# Altium PCB hellen1-72.PcbDoc (part 2 of 3)
Units mm, origin at the board's own origin, x right, y up, seen from the top; angles counter-clockwise.
Board outline 154 x 159 mm, 2 copper layers (Top Layer, Bottom Layer), stack 1.171 mm thick; 118 components, 204 nets, 757 pads, 461 vias.
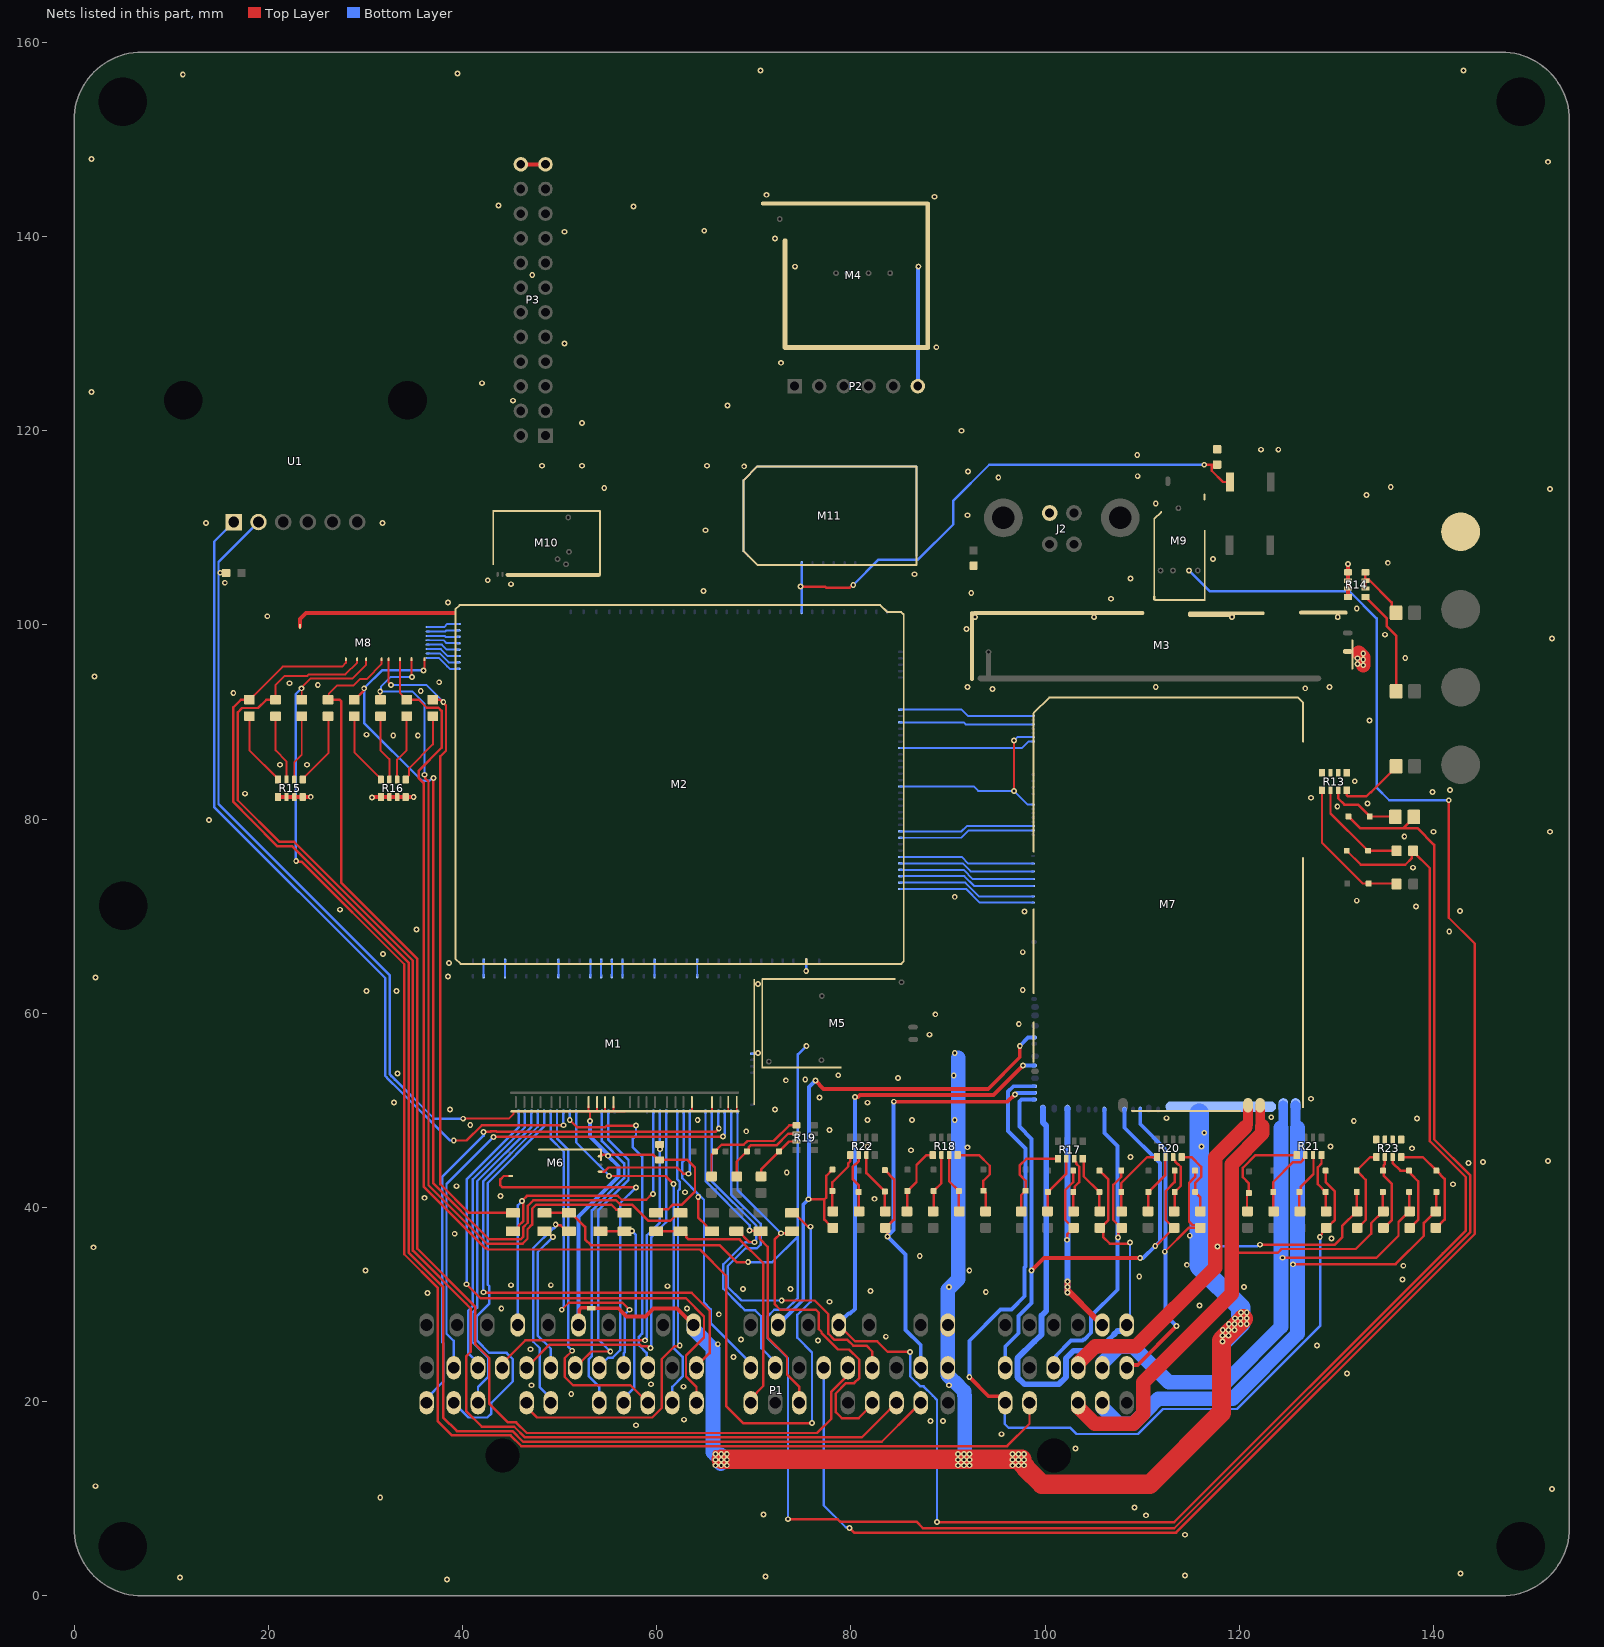
[diagram p2: the nets of this part, all layers, seen from the top]

## Via types
v1: diameter 0.6, hole 0.3, Top Layer to Bottom Layer, tented both sides, 461 vias

## Nets (pads, with @x,y where several pads share a name; then routed paths per layer and width w, separated by ;. In a path a pad name is that pad's centre, name@x,y a point inside that pad or via, vN(x,y) a via of type N, cw(c..) or ccw(c..) an arc to the next point about the centre after c; other vN are vias at no path point) (continued)
GND: C1.2 C2.1 J1.1 J2.4 M1.E1 M1.E5 M2.S2 M3.E1 M3.V1 M3.V2 M3.V3 M3.V4 M4.G M4.V2 M4.V3 M5.S1 M7.G M7.S3 M8.G M9.E1 M9.S1 M10.E1 M11.G P1.3A P1.3B P1.4A P2.6 P3.23 P3.24 P7.1 R13.5 R13.6 R13.7 R13.8 R14.5 R14.6 R14.7 R14.8 R15.5 R15.6 R15.7 R15.8 R16.5 R16.6 R16.7 R16.8 R23.5 R23.6 R23.7 R23.8 | length 219.4
  Top Layer w0.4: R15.5@21,82.275 R15.6@21.875,82.275 R15.7@22.675,82.275 R15.8@23.55,82.275 23.575,82.3 v1(24.375,82.3) ; M8.G@23.27,99.854 23.27,100.62 23.9,101.25 39.125,101.25 ; v1(30.675,82.225) 30.725,82.275 R16.5@31.6,82.275 R16.6@32.475,82.275 R16.7@33.275,82.275 R16.8@34.15,82.275 v1(34.975,82.275) v1@35,82.25 ; P3.24@46.01,147.44 P3.23@48.55,147.44 ; J1.1@53.475,29.625 56.075,29.625 56.5,29.2 56.5,29.185 56.91,28.775 58.85,28.775 59.675,29.6 62.1,29.6 63.14,28.56 63.292,28.56 63.8,28.052 P1.4A@63.8,27.9 ; M3.V4@130.15,100.746 M3.V4@130.15,100.8 ; v1(131.197,106.275) 131.2,106.272 R14.5@131.2,105.425 R14.6@131.2,104.55 R14.7@131.2,103.75 R14.8@131.2,102.875 ; 132.21,97.659 132.775,97.094 v1(132.775,97.075)
  Top Layer w0.6: v1@66.05,13.575 v1(66.05,14.025) v1(66.05,14.6) v1@66.05,14.725 ; v1@66.65,13.575 v1(66.65,14.025) 66.65,14.075 v1(66.65,14.6) v1@66.65,14.725 ; v1@67.225,13.575 v1(67.225,14.025) 67.225,14.075 v1(67.225,14.6) v1@67.225,14.725 ; v1@91.05,13.575 v1(91.05,14.025) 91.05,14.075 v1(91.05,14.6) v1@91.05,14.725 ; v1@91.65,13.575 v1(91.65,14.025) 91.65,14.075 v1(91.65,14.6) v1@91.65,14.725 ; v1@92.225,13.575 v1(92.225,14.025) 92.225,14.075 v1(92.225,14.6) v1@92.225,14.725 ; v1@96.65,13.575 v1(96.65,14.025) 96.65,14.075 v1(96.65,14.6) v1@96.65,14.725 ; v1@97.25,13.575 v1(97.25,14.025) 97.25,14.075 v1(97.25,14.6) v1@97.25,14.725 ; v1@97.825,13.575 v1(97.825,14.025) v1(97.825,14.6) v1@97.825,14.725
  Top Layer w1.5: P1.3A@90,27.45 P1.3A@90,27.9 ; 132.325,97.125 132.775,96.675 v1(132.775,96.45) v1(132.775,95.85)
  Top Layer w2: v1@66.65,14.075 67.225,14.075 91.05,14.075 91.65,14.075 92.225,14.075 96.65,14.075 97.25,14.075 v1@97.6,14.075 ; v1(97.25,14.025) v1(97.825,13.45) 97.95,13.325 97.95,13.228 99.678,11.5 110.801,11.5 118.175,18.874 118.175,26.3 v1@120.425,28.55
  Bottom Layer w0.25: M1.E1@69.85,55.858 70.358,55.858 v1(70.425,55.925) ; v1(75.4,64.35) 75.405,64.355 M2.S2@75.405,65.323
  Bottom Layer w0.4: P2.6@86.9,124.6 86.927,124.627 86.927,136.882 M4.V3@86.954,136.909
  Bottom Layer w1.5: P1.4A@63.8,27.9 63.8,27.45 65.8,25.45 65.8,14.775 v1@66.05,14.525 ; v1@66.6,13.637 v1@66.6,14.525 ; P1.3A@90,27.45 P1.3B@90,23.5 90,22.709 90.659,22.05 90.704,22.05 91.7,21.054 91.7,20.65 91.725,20.625 91.725,14.6 v1@91.725,14.025 ; P1.3A@90,27.9 90,31.549 91.075,32.624 91.075,55.4
  Bottom Layer w2: 115.875,49.725 115.875,33.975 120.15,29.7 v1(120.15,28.6) 120.15,28.075 v1(118.275,26.2)
  other v1: 38.4,1.7 10.9,1.9 71.2,2 114.4,2.1 142.8,2.3 114.4,6.3 110.4,8.3 71,8.4 109.2,9.1 31.536,10.144 152.2,11 2.2,11.3 66.05,13.45 66.65,13.45 67.225,13.45 91.05,13.45 91.65,13.45 92.225,13.45 96.65,13.45 97.25,13.45 103.136,15.196 95.505,16.658 57.875,17.575 88.2,18 89.5,18 62.825,18.15 51.2,20.8 62.775,21.55 47.1,21.7 90.1,21.7 59.4,21.8 131.1,22.9 67.9,24.6 47,25.4 128,25.8 66.3,25.925 76.6,26.3 68.7,26.4 83.6,26.7 118.275,26.8 118.9,26.8 118.3,27.4 118.9,27.4 119.525,27.4 118.925,28 119.525,28 120.15,28 120.775,28 119.55,28.6 120.775,28.6 66.4,29 120.175,29.2 120.775,29.2 44,29.6 63.125,29.6 115.9,29.9 77.8,30.3 36.4,31.2 93.9,31.3 82.025,31.4 68.9,31.6 73.775,31.6 90.1,31.8 120.5,31.8 61.1,31.9 45,32 49.1,32 136.8,32.6 109.7,32.9 30,33.5 92.2,33.5 136.9,34 114.6,34.1 87.1,35 2,35.9 129.5,36.8 114.9,37.1 39.2,37.3 82.431,40.899 36.1,41 43.9,41.2 62.925,41.575 39.4,42.2 142,42.4 73.4,43.6 143.6,44.6 145.1,44.7 151.8,44.8 108.8,45.2 86.2,45.9 137.8,46.1 92,46.2 81.7,46.3 116.1,46.3 129.4,46.3 116.4,47.7 69.225,47.85 77.8,48 40.8,48.5 131.8,48.9 64.225,49 81.7,49 86.3,49 90.7,49 138.3,49.175 112.5,49.2 123.3,49.3 38.7,50.1 72.2,50.1 81.7,50.8 32.95,50.825 127.4,51.2 76.775,51.325 73.3,53.1 75.3,53.2 84.85,53.342 90.6,53.6 78.7,53.625 33.3,53.8 90.7,55.9 88.1,57.8 97.3,58.9 88.7,59.9 30.1,62.3 33.2,62.3 97.7,62.4 70.44,63.02 2.2,63.7 38.5,63.8 38.6,65.2 31.8,66.1 97.7,66.3 141.625,68.425 35.275,68.65 97.894,70.504 142.725,70.525 27.375,70.675 138.2,71 132.1,71.6 90.7,72 137.9,75 137,78.2 140,78.7 152,78.7 13.9,79.9 130.1,81.3 133.2,81.6 127.4,82.2 17.604,82.621 139.9,82.8 141.7,83 131.9,83.9 21.2,85.6 24,85.6 32.875,88.6 35.4,88.6 30.1,88.7 133.422,90.152 16.4,93 35.7,93.183 94.6,93.4 126.795,93.475 92,93.6 111.4,93.6 129.3,93.6 25.1,93.8 22.2,94 37.6,94.1 2.1,94.7 132.175,95.975 132.175,96.575 137.1,96.6 152.2,98.6 135,99 91.9,99.6 19.9,100.9 132.1,101.7 38.5,102.3 106.8,102.7 92.4,103.3 64.825,103.5 45,104.2 15.525,104.35 42.6,104.6 108.799,104.795 86.572,105.22 135.3,106.4 117.3,106.8 65.025,109.75 13.6,110.5 31.775,110.5 92,111.3 111.4,112.5 133.1,113.4 152,114 54.6,114.1 135.6,114.2 95.189,115.171 109.543,115.323 92.049,115.802 69.014,116.34 48.2,116.4 52.3,116.4 65.2,116.4 109.5,117.5 122.225,118.05 124.025,118.05 91.4,120 52.3,120.8 67.3,122.6 45.2,123.1 1.8,124 42,124.9 72.8,127 88.8,128.6 50.5,129 47.186,136.055 72.2,139.8 50.5,140.5 64.9,140.6 57.6,143.1 43.7,143.2 88.6,144.1 71.3,144.3 151.8,147.7 1.8,148 11.2,156.7 39.5,156.8 70.699,157.092 143.1,157.1
GNDA: C3.2 J1.2 M1.J2 M1.J11 M1.J12 M1.J13 M1.J14 M1.J22 M1.J23 M1.J25 M1.J26 M1.N2 M2.S32 M6.E1 P1.4O R6.2 R12.1 U1.2 | length 143.9
  Top Layer w0.2: v1(40.075,49.15) 44.775,49.15 45.245,49.62 45.245,49.877 45.269,49.9 M1.J2@56.72,49.9 ; M1.J2@52.995,49.925 M1.J11@52.995,50.45 ; v1(53.125,48.925) M1.J2@53.125,49.9 ; M1.J2@53.87,49.925 M1.J12@53.87,50.45 ; M1.J2@54.67,49.925 M1.J13@54.67,50.45 ; M1.J2@55.545,49.925 M1.J14@55.545,50.45 ; M1.J2@63.62,49.925 M1.J22@63.62,50.45 ; M1.J2@65.7,49.925 M1.J23@65.7,50.45 ; M1.J2@67.375,49.925 M1.J25@67.375,50.45 ; M1.J2@68.25,49.925 M1.J26@68.25,50.45
  Top Layer w0.25: M6.E1@54.25,45.425 59.665,45.425 60.19,44.9 R12.1@60.3,44.9 63.175,44.9 63.95,44.125 63.95,41.659 62.566,40.275 61.649,40.275 61.199,39.825 60.325,39.825 R6.2@59.95,39.45
  Top Layer w0.4: v1(15.05,105.375) 15.063,105.362 15.647,105.362 C3.2@15.66,105.35 ; P1.4O@51.95,27.9 52.025,27.975 52.025,29.464 52.236,29.675 J1.2@52.825,29.675
  Bottom Layer w0.2: M1.N2@42.18,63.827 42.183,63.83 42.183,65.12 ; 42.185,65.123 42.183,65.12 ; M2.S32@42.185,65.423 42.183,65.42 42.183,65.12
  Bottom Layer w0.25: U1.2@18.99,110.6 14.875,106.485 14.875,81.575 32.5,63.95 32.5,53.736 32.675,53.561 32.675,53.541 33.041,53.175 33.061,53.175 37.086,49.15 v1(40.075,49.15)
  Bottom Layer w0.4: P1.4O@51.95,27.9 51.95,39.079 56.061,43.189 56.061,44.252 v1(54.988,45.325) 54.988,45.466 53.125,47.329 v1(53.125,48.925)
IAT: M1.N15 M2.S19 | length 1.6
  Bottom Layer w0.2: M1.N15@56.483,63.83 M2.S19@56.483,65.42
IDLE: M2.E18 M7.W29 M7.W35 | length 21.8
  Top Layer w0.2: v1(96.8,82.9) v1(96.8,88.1)
  Bottom Layer w0.2: M2.E18@85.102,83.365 92.635,83.365 93.1,82.9 v1(96.8,82.9) 98.211,81.489 M7.W29@98.772,81.489 ; v1(96.8,88.1) 97.139,88.439 M7.W35@98.772,88.439
IGN1: M2.W1 M8.E8 | length 3.6
  Bottom Layer w0.2: M8.E8@36.405,96.618 37.535,96.618 38.413,95.74 38.435,95.74 38.695,95.48 M2.W1@39.575,95.48
IGN2: M2.W2 M8.E7 | length 3.6
  Bottom Layer w0.2: M8.E7@36.405,97.068 37.651,97.068 38.579,96.14 M2.W2@39.575,96.14
IGN3: M2.W3 M8.E6 | length 3.5
  Bottom Layer w0.2: M8.E6@36.405,97.518 37.767,97.518 38.484,96.8 M2.W3@39.575,96.8
IGN4: M2.W4 M8.E5 | length 3.4
  Bottom Layer w0.2: M8.E5@36.405,97.968 37.882,97.968 38.39,97.46 M2.W4@39.575,97.46
IGN5: M2.W5 M8.E4 | length 3.3
  Bottom Layer w0.2: M8.E4@36.405,98.425 38.05,98.425 38.355,98.12 M2.W5@39.575,98.12
IGN6: M2.W6 M8.E3 | length 3.2
  Bottom Layer w0.2: M8.E3@36.405,98.875 38.175,98.875 38.27,98.78 M2.W6@39.575,98.78
IGN7: M2.W7 M8.E2 | length 3.2
  Bottom Layer w0.2: M8.E2@36.405,99.325 38.216,99.325 38.341,99.45 39.426,99.45 39.436,99.44 M2.W7@39.575,99.44
IGN8: M2.W8 M8.E1 | length 3.3
  Bottom Layer w0.2: M8.E1@36.405,99.775 38.1,99.775 38.425,100.1 M2.W8@39.575,100.1
IN_AC_PRESS: M1.S17 P1.4F | length 38.4
  Top Layer w0.25: v1(55.1,43.25) 60.9,43.25 v1(61.74,42.41)
  Bottom Layer w0.25: M1.S17@51.715,49.865 51.715,46.71 v1@55.175,43.25 ; P1.4F@61.6,19.9 61.6,21.53 62.675,22.605 62.675,24.62 61.745,25.55 61.745,42.405 v1(61.74,42.41)
IN_AFR: M1.S1 P1.3L R1.1 | length 47
  Top Layer w0.25: R1.1@73.95,37.55 73.75,37.35 v1(72.8,37.35) 72.15,36.7 72.15,30.05 72.725,29.475 76.4,29.475 76.705,29.17 76.705,27.47 76.975,27.2 76.975,27.078 78.678,25.375 79.825,25.375 80.875,24.325 80.875,22.45 80.338,21.913 79.513,21.913 78.45,20.85 78.45,18.925 79.075,18.3 80.8,18.3 82.2,19.7 P1.3L@82.2,19.9
  Bottom Layer w0.25: M1.S1@68.329,49.865 68.329,41.821 v1(72.8,37.35)
IN_BRAKE: M1.S23 P1.4B | length 51.5
  Top Layer w0.25: v1@42.125,31.275 42.175,31.225 63.6,31.225 65.45,29.375 65.45,25 64.1,23.65 P1.4B@64.1,23.5
  Bottom Layer w0.25: v1(42.15,31.275) 42.15,42.716 47.755,48.321 M1.S23@47.755,49.865
IN_CAM: M1.S5 P1.3V R3.1 | length 35.3
  Top Layer w0.25: R3.1@68.2,37.55 68.425,37.55 69.525,36.45 70.05,36.45 v1(70.075,36.425)
  Bottom Layer w0.25: M1.S5@65.689,49.865 65.689,42.697 70.25,38.136 70.25,36.695 v1@70.075,36.52 ; v1(70.075,36.425) 69.139,36.425 66.875,34.161 66.875,31.639 68.539,29.975 69.089,29.425 70.145,29.425 70.775,28.795 70.775,25.525 72.2,24.1 P1.3V@72.2,23.5
IN_CLT: M1.S15 P1.4P | length 31.7
  Top Layer w0.25: P1.4P@51.6,23.5 51.6,23.612 52.177,24.189 52.289,24.189 53.275,25.175 v1(55.225,25.175)
  Bottom Layer w0.25: M1.S15@55.021,49.865 55.021,46.968 57.1,44.889 57.1,42.836 54.005,39.741 54.005,26.395 v1(55.225,25.175)
IN_CLUTCH: M1.S20 P1.4I | length 38
  Top Layer w0.25: v1(51.3,25.25) 50.525,24.475 50.525,22.575 51.4,21.7 57.3,21.7 58.411,20.589 58.523,20.589 59.1,20.012 P1.4I@59.1,19.9
  Bottom Layer w0.25: M1.S20@49.735,49.865 49.735,47.115 50.875,45.975 50.875,25.675 v1(51.3,25.25)
IN_CRANK: M1.S8 P1.3Y R4.1 | length 33.8
  Top Layer w0.25: v1(64.275,41.1) 64.275,38.975 65.1,38.15 65.1,37.925 65.475,37.55 R4.1@65.7,37.55
  Bottom Layer w0.25: M1.S8@62.768,49.865 62.768,44.793 62.65,44.675 62.65,43.02 v1@64.423,41.248 ; v1(64.275,41.1) v1@64.423,41.248 ; P1.3Y@69.7,23.5 69.7,23.95 65.55,28.1 65.55,29.525 64.875,30.2 64.875,40.795 v1@64.423,41.248
IN_EGR: M1.S22 P1.4AE | length 42.3
  Bottom Layer w0.25: P1.4AE@39.1,19.9 39.1,19.788 39.677,19.211 39.789,19.211 40.625,18.375 42.55,18.375 42.975,18.8 42.975,19.9 45.175,22.1 45.175,24.395 44.545,25.025 42.761,25.025 41.485,26.301 41.485,28.81 42.775,30.1 42.775,31.887 42.6,32.062 42.6,42.529 48.415,48.344 M1.S22@48.415,49.865
IN_FTP_PPS: M1.S24 P1.4AB | length 33.6
  Bottom Layer w0.25: P1.4AB@41.6,19.9 41.6,21.53 42.675,22.605 42.675,24.475 41.025,26.125 41.025,29.189 41.525,29.689 41.525,42.727 47.095,48.297 M1.S24@47.095,49.865
IN_FUEL_LEVEL: M1.S3 P1.4AD | length 52.4
  Top Layer w0.25: v1(43.2,47.25) 43.238,47.288 66.787,47.288 v1(66.825,47.325)
  Bottom Layer w0.25: P1.4AD@39.1,23.5 39.1,26.26 38.355,27.005 38.355,42.405 v1(43.2,47.25) ; v1(66.825,47.325) 66.825,47.42 67.025,47.62 67.025,48.672 67.009,48.688 M1.S3@67.009,49.865
IN_IAT: M1.S16 P1.4N | length 32.9
  Bottom Layer w0.25: P1.4N@54.1,19.9 54.1,21.53 53.025,22.605 53.025,24.395 53.325,24.695 53.325,39.711 56.65,43.036 56.65,44.547 54.361,46.836 M1.S16@54.361,49.865
IN_KNOCK: M1.S7 M6.E3 | length 16
  Top Layer w0.25: M6.E3@54.175,43.7 54.611,43.7 55.036,44.125 62.105,44.125 62.755,43.475 v1(63.275,43.475)
  Bottom Layer w0.25: v1(63.275,43.475) 63.275,43.57 63.428,43.723 M1.S7@63.428,49.865
IN_KNOCK_RAW: M6.W1 P1.4M | length 36.3
  Top Layer w0.25: M6.W1@44.975,43.25 44.25,43.25 43.9,42.9 43.9,42.3 44.125,42.075 v1(57.875,42.075)
  Bottom Layer w0.25: P1.4M@54.1,23.5 54.1,23.63 55.02,24.55 55.484,24.55 56.25,25.316 56.25,40.45 v1(57.875,42.075)
IN_MAF: M1.S11 P1.4X R12.2 | length 40.8
  Top Layer w0.25: P1.4X@44.1,23.5 44.1,23.95 46.475,26.325 v1@58.7,26.325 ; R12.2@60.3,46.5 60.35,46.45 v1(60.35,46)
  Bottom Layer w0.25: v1@58.7,26.325 58.7,26.332 59,26.632 59,27.364 59,37.141 60.327,38.468 60.327,46 M1.S11@60.327,49.865
  other v1: 58.8,26.325
IN_MAP2: M1.S12 P1.4U R11.1 | length 39.3
  Top Layer w0.25: R11.1@45.2,37.55 45.425,37.55 45.8,37.925 45.8,38.15 46.275,38.625 46.275,40.675 46.214,40.736 46.214,40.783 46.632,41.2 55.998,41.2 56.398,40.8 58.93,40.8 59.53,41.4 v1(59.625,41.4)
  Bottom Layer w0.25: P1.4U@45.69,27.9 45.69,40.226 46.125,40.661 v1(46.125,40.675) ; v1(59.625,41.4) 59.667,41.442 M1.S12@59.667,49.865
IN_MAP3: M1.S19 U1.1 | length 88.4
  Top Layer w0.25: v1(39.1,46.9) 40.416,46.9 41.993,48.477 v1(50.402,48.477)
  Bottom Layer w0.25: U1.1@16.45,110.6 14.425,108.575 14.425,81.25 32.05,63.625 32.05,53.55 32.225,53.375 32.225,53.355 32.855,52.725 32.875,52.725 38.7,46.9 v1(39.1,46.9) ; M1.S19@50.395,49.865 50.395,48.485 v1(50.402,48.477)
IN_NEUTRAL: M1.S18 P1.4H | length 34.1
  Top Layer w0.25: v1(51.05,49) 51.775,48.275 54.69,48.275 54.84,48.425 57.85,48.425 v1(57.875,48.45)
  Bottom Layer w0.25: v1(51.05,49) 51.055,49.005 M1.S18@51.055,49.865 ; v1(57.875,48.45) 57.875,47.44 57.55,47.115 57.55,46.2 58.5,45.25 58.5,27.009 58.175,26.684 58.175,25.816 58.966,25.025 58.966,23.634 P1.4H@59.1,23.5
IN_O2S: M1.S9 P1.4W | length 47
  Top Layer w0.25: P1.4W@46.6,19.9 46.6,19.45 47.675,18.375 59.545,18.375 60.525,19.355 60.525,24.395 61.864,25.734 62.311,25.734 v1(62.378,25.801)
  Bottom Layer w0.25: M1.S9@62.108,49.865 62.108,42.926 62.365,42.669 62.365,41.899 62.195,41.729 62.195,26.079 62.378,25.896 v1(62.378,25.801)
IN_O2S2: M1.S25 P1.4AA | length 29.2
  Bottom Layer w0.25: P1.4AA@41.6,23.5 41.6,24.009 40.575,25.034 40.575,29.375 41.075,29.875 41.075,42.914 46.435,48.274 M1.S25@46.435,49.865
IN_SENS2: M1.S2 P1.3K | length 41.9
  Top Layer w0.25: v1(72.875,30.425) 76.275,30.425 77.685,29.015 77.685,27.005 78.315,26.375 79.649,26.375 80.249,25.775 81.6,25.775 82.2,25.175 P1.3K@82.2,23.5
  Bottom Layer w0.25: M1.S2@67.669,49.865 67.669,41.354 70.7,38.323 70.7,37.35 70.7,36.684 70.7,36.166 70.334,35.8 69.15,35.8 67.325,33.975 67.325,31.825 68.725,30.425 v1(72.875,30.425)
IN_SENS4: M1.S4 P1.4AH | length 56.6
  Top Layer w0.25: v1(42.175,47.775) 42.225,47.825 42.891,47.825 42.941,47.875 43.459,47.875 43.509,47.825 66.093,47.825 66.393,48.125 v1(66.4,48.125)
  Bottom Layer w0.25: P1.4AH@36.3,19.9 36.3,20.35 38.025,22.075 38.025,26.003 37.905,26.123 37.905,43.141 42.175,47.411 v1(42.175,47.775) ; M1.S4@66.349,49.865 66.349,48.176 v1(66.4,48.125)
IN_STEERING: M1.S26 P1.4C | length 55.9
  Top Layer w0.25: v1(40.425,32.1) 41.875,30.65 63.02,30.65 64.875,28.795 64.875,26.625 63.025,24.775 63.025,22.605 64.1,21.53 P1.4C@64.1,19.9
  Bottom Layer w0.25: v1(40.425,32.1) 40.425,42.9 45.775,48.25 M1.S26@45.775,49.865
IN_TPS: M1.S10 P1.4V | length 39
  Top Layer w0.25: P1.4V@46.6,23.5 46.6,23.612 47.177,24.189 47.289,24.189 48.975,25.875 58.266,25.875 58.441,25.7 59.08,25.7 59.255,25.525 v1(59.35,25.525)
  Bottom Layer w0.25: v1(59.35,25.525) 59.417,25.592 59.417,25.799 59.45,25.832 59.45,27.55 59.45,36.955 60.987,38.492 M1.S10@60.987,49.865
IN_VIGN: D3.1 D9.1 M5.V3 R9.2 R10.2 | length 218.4
  Top Layer w0.25: R9.2@48.45,39.45 R10.2@50.95,39.45 51.175,39.45 52.625,38 52.625,36.725 53.225,36.125 66.475,36.125 68.225,34.375 v1(69.425,34.375) ; v1(73.525,7.9) 78.641,7.9 78.891,7.65 86.75,7.65 87.425,6.975 113.311,6.975 143.8,37.464 143.8,43.3 140.075,47.025 140.075,77.35 138.35,79.075 136.925,79.075 ; D3.1@131.25,80.275 132.45,79.075 136.925,79.075 ; D9.1@137.98,80.23 137.98,80.13 136.925,79.075
  Bottom Layer w0.25: v1(69.425,34.375) 71.9,34.375 74.55,37.025 ; v1(73.525,7.9) 73.525,24.475 71.425,26.575 71.425,28.795 72.104,29.474 73.324,29.474 74.55,30.7 74.55,37.025 ; M5.V3@75.418,56.643 74.55,55.775 74.55,37.025
IN_VSS: M1.S6 P1.3T R2.1 | length 34.8
  Top Layer w0.25: v1(69.575,37.625) R2.1@70.625,37.625 ; R2.1@70.7,37.55 R2.1@70.625,37.625 ; P1.3T@74.7,19.9 74.7,21.53 73.425,22.805 73.425,24.625 71.425,26.625 71.425,35.959 70.625,36.759 R2.1@70.625,37.625
  Bottom Layer w0.25: M1.S6@65.029,49.865 65.029,42.721 69.575,38.175 v1@69.575,37.53
IN_VTCS: M1.S21 P1.4J | length 34.8
  Top Layer w0.25: v1(50.225,29.475) 50.95,30.2 56.475,30.2 v1(57.2,29.475)
  Bottom Layer w0.25: M1.S21@49.075,49.865 49.075,47.1 50.425,45.75 50.425,29.77 50.225,29.57 v1(50.225,29.475) ; P1.4J@56.6,23.5 56.6,24.989 56.7,25.089 56.7,28.975 v1(57.2,29.475)
INJ1: M2.E25 M7.W24 | length 13.9
  Bottom Layer w0.2: M2.E25@85.102,78.745 91.395,78.745 91.939,79.289 M7.W24@98.772,79.289
INJ2: M2.E26 M7.W23 | length 14
  Bottom Layer w0.2: M2.E26@85.102,78.085 91.385,78.085 92.149,78.849 M7.W23@98.772,78.849
INJ3: M2.E29 M7.W20 | length 14
  Bottom Layer w0.2: M2.E29@85.102,76.105 91.42,76.105 92.107,75.418 M7.W20@98.772,75.418
INJ4: M2.E30 M7.W19 | length 14
  Bottom Layer w0.2: M2.E30@85.102,75.445 91.514,75.445 92.341,74.618 M7.W19@98.772,74.618
INJ5: M2.E31 M7.W18 | length 14.1
  Bottom Layer w0.2: M2.E31@85.102,74.785 91.609,74.785 92.576,73.818 M7.W18@98.772,73.818
INJ6: M2.E32 M7.W17 | length 14.1
  Bottom Layer w0.2: M2.E32@85.102,74.125 91.703,74.125 92.714,73.114 M7.W17@98.772,73.114
INJ7: M2.E33 M7.W16 | length 14.3
  Bottom Layer w0.2: M2.E33@85.102,73.465 91.785,73.465 93.196,72.054 M7.W16@98.772,72.054
INJ8: M2.E34 M7.W15 | length 14.3
  Bottom Layer w0.2: M2.E34@85.102,72.805 91.879,72.805 93.291,71.394 M7.W15@98.772,71.394
KNOCK: M1.N22 M2.S12 | length 1.6
  Bottom Layer w0.2: M1.N22@64.182,63.83 M2.S12@64.182,65.42
LIN: M9.V4 P1.3Q | length 187.6
  Top Layer w0.25: v1(79.85,7) 80.325,6.525 113.498,6.525 144.25,37.277 144.25,67.175 141.575,69.85 v1(141.575,81.95)
  Bottom Layer w0.25: P1.3Q@77.2,23.5 77.2,9.341 79.474,7.067 79.783,7.067 v1(79.85,7) ; M9.V4@114.825,105.6 116.975,103.45 131.378,103.45 134.15,100.678 134.15,83.25 135.45,81.95 v1(141.575,81.95)
MAF: M1.N14 M2.S20 | length 1.6
  Bottom Layer w0.2: M1.N14@55.383,63.83 M2.S20@55.383,65.42
MAIN: M2.E6 M7.W40 | length 13.9
  Bottom Layer w0.2: M2.E6@85.102,91.285 91.415,91.285 92.061,90.639 M7.W40@98.772,90.639
MAP2: M1.N13 M2.S21 | length 1.6
  Bottom Layer w0.2: M1.N13@54.283,63.83 M2.S21@54.283,65.42
MAP3: M1.N12 M2.S22 | length 1.6
  Bottom Layer w0.2: M1.N12@53.183,63.83 M2.S22@53.183,65.42
NetD1_2: D1.2 D7.2 R13.1 | length 14.8
  Top Layer w0.25: R13.1@128.525,82.97 128.525,77.575 132.725,73.375 136.145,73.375 D7.2@136.2,73.32
NetD2_2: D2.2 D8.2 R13.2 | length 10.8
  Top Layer w0.25: R13.2@129.4,82.97 129.4,80.6 133.075,76.925 133.1,76.925 D2.2@133.275,76.75 136.18,76.75 D8.2@136.2,76.73
NetD3_2: D3.2 D9.2 R13.3 | length 7.5
  Top Layer w0.25: R13.3@130.2,82.97 130.2,82.125 130.825,81.5 132.225,81.5 D3.2@133.45,80.275 136.035,80.275 D9.2@136.08,80.23
NetD4_2: D4.2 R13.4 | length 7
  Top Layer w0.25: R13.4@131.075,82.97 131.075,82.446 131.185,82.337 133.087,82.337 133.525,82.775 133.575,82.775 136.15,85.35 D4.2@136.15,85.45
NetD5_2: D5.2 R14.1 | length 11
  Top Layer w0.25: R14.1@133,102.875 135.175,100.7 135.175,99.874 136.15,98.899 D5.2@136.15,93.17
NetD6_2: D6.2 R14.2 R14.3 R14.4 | length 6.6
  Top Layer w0.25: R14.2@133,103.75 R14.3@133,104.55 R14.3@133,104.725 ; R14.4@133,105.425 R14.3@133,104.725 ; R14.3@133.312,104.712 135.699,102.325 135.699,101.701 D6.2@136.15,101.25 ; R14.3@133.324,104.699 133.299,104.725 R14.3@133,104.725
NetD10_2: D10.2 R15.4 | length 7.7
  Top Layer w0.2: D10.2@18.05,90.6 18.05,87.1 21,84.15 R15.4@21,84.075
NetD11_2: D11.2 R15.3 | length 7
  Top Layer w0.2: D11.2@20.75,90.6 20.75,87.075 21.875,85.95 R15.3@21.875,84.075
NetD12_2: D12.2 R15.2 | length 6.8
  Top Layer w0.2: R15.2@22.675,84.075 22.675,85.875 23.45,86.65 D12.2@23.45,90.6
NetD13_2: D13.2 R15.1 | length 7.6
  Top Layer w0.2: R15.1@23.55,84.075 23.55,84.15 26.2,86.8 26.2,90.55 D13.2@26.15,90.6
NetD14_2: D14.2 R16.4 | length 7.7
  Top Layer w0.2: D14.2@28.85,90.6 28.9,90.55 28.9,86.85 31.6,84.15 R16.4@31.6,84.075
NetD15_2: D15.2 R16.3 | length 6.9
  Top Layer w0.2: D15.2@31.55,90.6 31.55,87.1 32.475,86.175 R16.3@32.475,84.075
NetD16_2: D16.2 R16.2 | length 6.9
  Top Layer w0.2: R16.2@33.275,84.075 33.275,86.125 34.25,87.1 D16.2@34.25,90.6
NetD17_2: D17.2 R16.1 | length 7.7
  Top Layer w0.2: R16.1@34.15,84.075 34.15,84.15 34.375,84.375 34.5,84.5 34.5,85.25 36.95,87.7 D17.2@36.95,90.6
NetD18_1: D18.1 D29.1 R17.4 | length 6.2
  Top Layer w0.25: R17.4@103.875,45.025 103.975,44.925 103.975,43.225 D18.1@105.6,41.6 105.6,39.65 D29.1@105.65,39.6
NetD19_1: D19.1 D30.1 R17.3 | length 5.9
  Top Layer w0.25: D30.1@102.95,39.6 102.9,39.65 D19.1@102.9,41.6 103.062,41.762 103.062,42.15 103.525,42.613 103.525,44.199 103.225,44.499 103.225,44.625 103,44.85 R17.3@103,45.025
NetD20_1: D20.1 D31.1 R17.2 | length 6.2
  Top Layer w0.25: D31.1@100.25,39.6 100.3,39.65 D20.1@100.3,41.6 102.2,43.5 R17.2@102.2,45.025
NetD21_1: D21.1 D32.1 R17.1 | length 9.4
  Top Layer w0.25: D32.1@97.55,39.6 97.55,41.275 D21.1@98,41.725 98,42.763 97.375,43.388 97.375,44.324 98.076,45.025 R17.1@101.325,45.025
NetD22_1: D22.1 D33.1 R18.4 | length 8.8
  Top Layer w0.25: R18.4@91,45.4 93.199,45.4 94.3,44.299 94.3,43.412 93.65,42.763 D22.1@93.65,41.725 93.875,41.5 D33.1@93.875,39.6
NetD23_1: D23.1 D34.1 R18.3 | length 6.2
  Top Layer w0.25: R18.3@90.125,45.4 90.125,42.7 D23.1@91.125,41.7 91.125,39.65 D34.1@91.175,39.6
NetD24_1: D24.1 D35.1 R18.2 | length 6.2
  Top Layer w0.25: D35.1@88.475,39.6 88.525,39.65 D24.1@88.525,41.7 89.325,42.5 R18.2@89.325,45.4
NetD25_1: D25.1 D36.1 R18.1 | length 7.3
  Top Layer w0.25: D36.1@85.775,39.6 85.825,39.65 D25.1@85.825,41.7 86.763,42.637 86.763,44.388 87.775,45.4 R18.1@88.45,45.4
NetD26_1: D26.1 D37.1 R19.1 | length 12.2
  Top Layer w0.25: D37.1@65.65,43.2 65.65,45.425 D26.1@66,45.775 66.7,46.475 68.975,46.475 69.35,46.85 72.05,46.85 73.675,48.475 R19.1@74.4,48.475
NetD27_1: D27.1 D38.1 R19.2 | length 9
  Top Layer w0.25: D38.1@68.25,43.2 68.25,44.725 69.475,45.95 69.475,46.2 69.675,46.4 72.325,46.4 73.525,47.6 R19.2@74.4,47.6
NetD28_1: D28.1 D39.1 R19.3 | length 5.6
  Top Layer w0.25: D39.1@70.75,43.2 70.75,43.925 D28.1@72.6,45.775 73.625,46.8 R19.3@74.4,46.8
NetD40_1: D40.1 D51.1 R20.4 | length 7.5
  Top Layer w0.25: R20.4@114.075,45.2 115.074,45.2 116.075,44.199 116.075,43.15 115.45,42.525 D40.1@115.45,41.6 116,41.05 D51.1@116,39.6
NetD41_1: D41.1 D52.1 R20.3 | length 6.2
  Top Layer w0.25: R20.3@113.2,45.2 113.2,45.025 113.425,44.8 113.425,44.703 113.653,44.475 113.699,44.475 113.975,44.199 113.975,42.225 D41.1@113.35,41.6 113.35,39.65 D52.1@113.3,39.6
NetD42_1: D42.1 D53.1 R20.2 | length 6.3
  Top Layer w0.25: D53.1@110.6,39.6 110.65,39.65 D42.1@110.65,41.6 112.4,43.35 R20.2@112.4,45.2
NetD43_1: D43.1 D54.1 R20.1 | length 7.7
  Top Layer w0.25: D54.1@107.9,39.6 107.85,39.65 D43.1@107.85,41.6 107.85,42.525 110.525,45.2 R20.1@111.525,45.2
NetD44_1: D44.1 D55.1 R21.1 | length 11.1
  Top Layer w0.25: D55.1@120.85,39.6 120.8,39.65 120.8,41.4 D44.1@121,41.6 ; D44.1@121,41.5 D44.1@121,41.6 ; R21.1@125.925,45.4 121.676,45.4 120.375,44.099 120.375,43.112 121,42.487 D44.1@121,41.6
NetD45_1: D45.1 D56.1 R21.2 | length 7.7
  Top Layer w0.25: D56.1@123.55,39.6 123.5,39.65 D45.1@123.5,41.6 123.5,42.625 125.55,44.675 126.347,44.675 126.575,44.903 126.575,45 126.8,45.225 R21.2@126.8,45.4
NetD46_1: D46.1 D57.1 R21.3 | length 6.4
  Top Layer w0.25: D57.1@126.25,39.6 126.2,39.65 D46.1@126.2,41.6 126.35,41.75 126.35,42.15 127.65,43.45 127.65,45.35 R21.3@127.6,45.4
NetD47_1: D47.1 D58.1 R21.4 | length 6.3
  Top Layer w0.25: R21.4@128.475,45.4 128.475,44.525 128.1,44.15 128.1,42.4 D47.1@128.9,41.6 128.9,39.65 D58.1@128.95,39.6
NetD48_1: D48.1 D61.1 R22.1 | length 6.6
  Top Layer w0.25: D61.1@78.15,39.6 78.1,39.65 D48.1@78.1,41.7 78.1,42.6 79.725,44.225 79.725,44.55 79.925,44.75 R22.1@79.925,45.4
NetD49_1: D49.1 D59.1 R22.2 | length 6.4
  Top Layer w0.25: R22.2@80.8,45.4 80.8,44.75 80.525,44.475 80.45,44.475 80.175,44.199 80.175,42.939 80.8,42.314 D49.1@80.8,41.6 80.8,39.65 D59.1@80.85,39.6
NetD50_1: D50.1 D60.1 R22.3 | length 6.6
  Top Layer w0.25: R22.3@81.6,45.4 81.6,43.55 D50.1@83.5,41.65 83.5,39.65 D60.1@83.55,39.6
NetD62_2: D62.2 D66.2 R23.4 | length 10.9
  Top Layer w0.25: R23.4@136.675,45.2 138.9,45.2 D62.2@140.3,43.8 141.15,42.95 141.15,38.75 140.3,37.9 D66.2@140.25,37.9
NetD63_2: D63.2 D67.2 R23.3 | length 9.3
  Top Layer w0.25: R23.3@135.8,45.2 135.8,44.6 136.6,43.8 D63.2@137.5,43.8 137.675,43.625 137.675,43.45 138.425,42.7 138.425,38.725 137.6,37.9 D67.2@137.55,37.9
NetD64_2: D64.2 D68.2 R23.2 | length 8.2
  Top Layer w0.25: D68.2@134.85,37.9 134.9,37.9 135.725,38.725 135.725,42.425 134.9,43.25 134.9,43.7 D64.2@134.8,43.8 134.888,43.887 134.888,44.35 135,44.463 R23.2@135,45.2
NetD65_2: D65.2 D69.2 R23.1 | length 9.3
  Top Layer w0.25: D69.2@132.15,37.9 132.2,37.9 133.025,38.725 133.025,42.85 132.75,43.125 132.75,43.15 D65.2@132.1,43.8 133.5,45.2 R23.1@134.125,45.2
NetP1_3Z: P1.3Z R5.1 R6.1 | length 27.4
  Top Layer w0.25: R6.1@59.95,37.55 62.663,37.55 63.038,37.175 63.038,36.962 63.275,36.725 68.55,36.725 70.975,34.3 70.975,21.625 69.7,20.35 69.7,20.275 P1.3Z@69.7,19.9
NetP1_4K: P1.4K R7.1 R8.1 | length 21.6
  Top Layer w0.25: R8.1@54.2,37.55 54.225,37.575 v1(57.475,37.575)
  Bottom Layer w0.25: P1.4K@56.6,19.9 56.6,20.35 57.675,21.425 57.675,28.608 57.825,28.758 57.825,37.225 v1(57.475,37.575)
NetP1_4S: P1.4S R9.1 | length 15.8
  Top Layer w0.25: R9.1@48.45,37.55 48.675,37.55 49.25,36.975 v1(49.325,36.975)
  Bottom Layer w0.25: P1.4S@49.1,23.5 49.1,25.461 47.745,26.816 47.745,35.395 v1(49.325,36.975)
NetP1_4T: P1.4T R10.1 | length 21.8
  Top Layer w0.25: v1(49.6,38.24) 49.667,38.174 50.101,38.174 50.725,37.55 R10.1@50.95,37.55
  Bottom Layer w0.25: P1.4T@49.1,19.9 49.1,20.35 47.975,21.475 47.975,25.5 47.295,26.18 47.295,35.829 49.316,37.85 49.454,37.85 49.533,37.929 49.533,38.174 v1(49.6,38.24)
NEUTRAL: M1.N9 M2.S25 | length 1.6
  Bottom Layer w0.2: M1.N9@49.883,63.83 M2.S25@49.883,65.42
nReset: C1.1 M2.N22 M11.N6 S2.1 | length 57.6
  Top Layer w0.25: v1(74.825,103.975) 74.85,103.95 77.362,103.95 77.462,103.85 79.88,103.85 80.155,104.125 v1(80.25,104.125) ; v1(116.4,116.5) 116.41,116.51 117.17,116.51 ; C1.1@117.725,116.51 117.17,116.51 ; S2.1@119.05,114.725 118.325,114.725 117.17,115.88 117.17,116.51
  Bottom Layer w0.25: M2.N22@74.925,101.352 74.925,103.813 74.95,103.839 M11.N6@74.95,106.3 ; v1(80.25,104.125) 82.852,106.727 86.919,106.727 90.559,110.368 90.559,112.809 94.25,116.5 v1(116.4,116.5)
O2H: M2.E8 M7.W38 | length 13.8
  Bottom Layer w0.2: M2.E8@85.102,89.965 91.604,89.965 91.81,89.759 M7.W38@98.772,89.759
O2H2: M2.E12 M7.W34 | length 13.9
  Bottom Layer w0.2: M2.E12@85.102,87.325 97.625,87.325 98.299,87.999 M7.W34@98.772,87.999
O2S: M1.N18 M2.S16 | length 1.6
  Bottom Layer w0.2: M1.N18@59.782,63.83 M2.S16@59.782,65.42
O2S2: M1.N4 M2.S30 | length 1.6
  Bottom Layer w0.2: M1.N4@44.383,63.83 M2.S30@44.383,65.42
OUT_AC: D43.2 D54.2 M7.S12 P1.2K | length 38.4
  Top Layer w0.25: v1(107.5,36.9) 107.538,36.938 107.538,37.538 D54.2@107.9,37.9 107.85,37.9 107.025,38.725 107.025,42.336 107.85,43.161 D43.2@107.85,43.8
  Bottom Layer w0.4: P1.2K@100.9,23.5 101.11,23.71 101.11,24.735 102.675,26.3 103.876,26.3 103.976,26.4 104.05,26.4 104.75,27.1 104.75,28.826 107.45,31.526 107.45,46.325 106.107,47.668 M7.S12@106.107,50.089
OUT_ALT_WARN: D48.2 D61.2 M7.W9 P1.3U | length 61
  Top Layer w0.25: v1(75.625,40.85) 77.275,40.85 ; D48.2@78.1,43.9 77.475,43.275 77.475,41.05 77.275,40.85 ; D61.2@78.15,37.9 78.1,37.9 77.725,38.275 77.725,38.3 77.275,38.75 77.275,40.85
  Top Layer w0.4: v1(76.35,53.075) 77.2,52.225 94.15,52.225 97.4,55.475 v1(97.4,56.65)
  Bottom Layer w0.4: P1.3U@72.5,27.9 72.5,28.052 73.008,28.56 73.16,28.56 75.1,30.5 75.1,40.325 v1(75.625,40.85) ; v1@75.675,40.85 75.675,52.4 v1(76.35,53.075) ; v1(97.4,56.65) 98.264,57.514 M7.W9@98.877,57.514
OUT_ALTERN: D2.1 D8.1 M7.W6 P1.3M | length 188
  Top Layer w0.25: P1.3M@78.76,27.788 P1.3M@79.337,27.211 ; P1.3M@79.449,27.211 80.435,26.225 82.7,26.225 83.799,25.126 v1(86.1,25.126) ; v1(88.875,7.6) 113.3,7.6 140.975,35.275 143.35,37.65 143.35,43.114 139.625,46.839 139.625,74.955 137.9,76.68 D8.1@137.9,76.73 137.787,76.617 137.787,75.987 137.1,75.3 132.525,75.3 D2.1@131.075,76.75
  Top Layer w0.4: v1(80.425,51.4) 80.75,51.4 80.95,51.6 94.7,51.6 v1(97.725,54.625)
  Bottom Layer w0.25: P1.3M@79.337,27.211 P1.3M@79.449,27.211 ; v1(86.1,25.126) 86.1,22.63 87.155,21.575 87.495,21.575 88.45,20.62 88.875,20.195 v1(88.875,7.6)
  Bottom Layer w0.4: P1.3M@78.76,27.9 78.76,28.052 79.777,29.07 79.93,29.07 80.425,29.565 v1(80.425,51.4) ; v1(97.725,54.625) 97.731,54.619 M7.W6@98.877,54.619
OUT_CANIST: D50.2 D60.2 M7.W2 P1.3E | length 51.6
  Top Layer w0.25: D50.2@83.5,43.85 84.45,42.9 84.45,38.75 83.6,37.9 D60.2@83.55,37.9 83.775,37.675 v1(83.775,37.025)
  Top Layer w0.4: v1(84.425,50.9) 96.15,50.9 v1(96.9,51.65)
  Bottom Layer w0.4: v1@83.75,37.025 84.407,37.682 84.407,50.882 v1(84.425,50.9) ; v1(83.775,37.025) 85.625,35.175 85.625,27.399 87.2,25.824 P1.3E@87.2,23.5 ; v1(96.9,51.65) 96.954,51.65 97.118,51.814 M7.W2@98.877,51.814
OUT_CE: D47.2 D58.2 M7.W3 P1.2R | length 97.8
  Top Layer w0.25: v1(128.3,36.95) 128.3,37.045 128.525,37.27 128.525,37.525 128.9,37.9 D58.2@128.95,37.9 129,37.9 129.64,38.54 129.69,38.54 129.825,38.675 129.825,41.699 128.9,42.624 D47.2@128.9,43.8
  Top Layer w0.4: v1(92.2,22.55) 94.19,20.56 95.392,20.56 95.9,20.052 P1.2R@95.9,19.9
  Bottom Layer w0.25: P1.2R@95.9,19.9 95.85,19.85 95.85,17.716 96.266,17.3 102.612,17.3 103.237,16.675 109.583,16.675 112.158,19.25 119.774,19.25 128.325,27.801 128.325,36.925 v1(128.3,36.95)
  Bottom Layer w0.4: v1(92.2,22.55) 92.2,26.276 95.424,29.5 96.54,29.5 97.9,30.86 97.9,33.815 98,33.915 98,46.09 96.2,47.89 96.2,51.94 96.754,52.494 M7.W3@98.877,52.494
OUT_COIL_A1: D62.1 D66.1 M7.S1 P1.2F | length 68.5
  Top Layer w0.25: v1(125.55,34.15) 125.575,34.175 136.1,34.175 139.025,37.1 139.025,38.425 140.2,39.6 D66.1@140.25,39.6 140.3,39.65 D62.1@140.3,41.6
  Bottom Layer w1: M7.S1@125.802,50.514 125.802,48.398 126,48.2
  Bottom Layer w1.5: P1.2F@105.9,19.9 105.9,19.45 107.6,17.75 109.104,17.75 111,19.646 111,19.666 111.659,20.325 119.329,20.325 126,26.996 126,48.2
OUT_COIL_A2: D63.1 D67.1 M7.S2 P1.2E | length 64.2
  Top Layer w0.25: v1(124.45,34.825) 134.125,34.825 136.4,37.1 136.4,38.5 137.5,39.6 D67.1@137.55,39.6 137.5,39.65 D63.1@137.5,41.6
  Bottom Layer w1: 124.3,48.2 124.546,48.446 M7.S2@124.546,50.514
  Bottom Layer w1.5: P1.2E@105.9,23.5 105.9,23.95 107.6,25.65 109.104,25.65 112.729,22.025 118.625,22.025 124.3,27.7 124.3,48.2
OUT_COIL_B1: D64.1 D68.1 M7.S4 P1.2I | length 65.3
  Top Layer w0.25: 119.225,35.325 123.962,35.325 124.362,35.725 132,35.725 133.575,37.3 133.575,38.375 134.8,39.6 D68.1@134.85,39.6 134.8,39.65 D64.1@134.8,41.6
  Top Layer w1: M7.S4@122.157,50.539 122.157,48.618 122.391,48.384
  Top Layer w1.5: P1.2I@103.4,19.9 103.4,19.45 105.1,17.75 109.104,17.75 110.125,18.771 110.125,22.025 119.225,31.125 119.225,35.325 119.225,44.475 122.391,47.641 122.391,48.384
OUT_COIL_B2: D65.1 D69.1 M7.S5 P1.2H | length 55.4
  Top Layer w0.25: v1(122.125,36.175) 129.85,36.175 130.6,36.925 130.6,38.1 132.1,39.6 D69.1@132.15,39.6 132.1,39.65 D65.1@132.1,41.6
  Top Layer w1: 120.61,48.265 120.902,48.556 M7.S5@120.902,50.539
  Top Layer w1.5: P1.2H@103.4,23.5 103.4,23.95 105.15,25.7 109.4,25.7 117.525,33.825 117.525,45.179 120.61,48.265
  Bottom Layer w0.25: v1(117.75,36) 121.855,36 122.03,36.175 v1(122.125,36.175)
OUT_ECF: D40.2 D51.2 M7.S8 P1.2B | length 42.4
  Top Layer w0.25: v1(112.325,35.45) 114.775,37.9 D51.2@116,37.9 115.7,38.2 115.2,38.2 114.825,38.575 114.825,42.536 115.45,43.161 D40.2@115.45,43.8
  Top Layer w0.4: P1.2B@108.4,23.5 108.7,23.8 109.55,23.8 v1(113.537,27.788)
  Bottom Layer w0.4: M7.S8@109.807,50.089 109.807,48.593 112.425,45.975 112.425,28.9 v1(113.537,27.788)
OUT_IDLE: D41.2 D52.2 M7.S10 M7.W1 P1.2Q | length 69.5
  Top Layer w0.25: v1(111.35,36.05) 111.4,36.05 D52.2@113.25,37.9 ; D52.2@113.3,37.9 D52.2@113.25,37.9 ; D41.2@113.35,43.8 113.35,42.624 112.425,41.699 112.425,38.725 D52.2@113.25,37.9
  Top Layer w0.4: v1(98.6,33.525) 99.875,34.8 v1(109.8,34.8)
  Bottom Layer w0.4: P1.2Q@95.9,23.5 95.9,25.704 97.25,27.054 97.25,28.826 98.6,30.176 v1(98.6,33.525) 98.6,47.075 97.35,48.325 97.35,50.908 97.561,51.119 M7.W1@98.877,51.119 ; M7.S10@108.182,50.089 108.182,48.218 111.825,44.575 111.825,36.525 v1(111.35,36.05) 110.1,34.8 v1(109.8,34.8)
OUT_IGN1: D10.1 M8.S8 P1.3F | length 148.8
  Top Layer w0.2: D10.1@18.05,92.3 18.1,92.3 18.5,92.7 18.5,92.715 21.485,95.7 27.6,95.7 27.985,96.085 M8.S8@27.985,96.475
  Top Layer w0.25: D10.1@18.05,92.3 17.175,92.3 16.4,91.525 16.4,81.764 18.232,79.932 20.964,77.2 22.486,77.2 34.45,65.236 34.45,35.375 38,31.825 38,18.393 39.418,16.975 45.146,16.975 46.246,15.875 83.175,15.875 86.501,19.201 86.599,19.201 87.2,19.802 P1.3F@87.2,19.9
OUT_IGN2: D11.1 M8.S7 P1.3I | length 145.7
  Top Layer w0.2: D11.1@20.75,92.3 20.75,93.825 21.675,94.75 24.034,94.75 24.184,94.9 27.95,94.9 29.16,96.11 M8.S7@29.16,96.475
  Top Layer w0.25: D11.1@20.75,92.3 19.8,92.3 18.95,91.45 17.3,91.45 16.85,91 16.85,81.95 21.15,77.65 22.673,77.65 34.9,65.423 34.9,35.564 40.369,30.094 40.85,29.614 40.85,25.15 40.375,24.675 40.375,19.057 42.007,17.425 45.332,17.425 46.432,16.325 81.125,16.325 84.011,19.211 84.123,19.211 84.7,19.788 P1.3I@84.7,19.9
OUT_IGN3: D12.1 M8.S6 P1.2O | length 156.7
  Top Layer w0.2: D12.1@23.45,92.3 23.45,93.6 24.35,94.5 28.675,94.5 30.085,95.91 M8.S6@30.085,96.475
  Top Layer w0.25: v1@22.825,75.625 23.425,75.625 34,65.05 34,35.189 37.475,31.714 37.475,17.975 38.925,16.525 44.959,16.525 46.059,15.425 96.1,15.425 98.4,17.725 P1.2O@98.4,19.9
  Bottom Layer w0.25: v1@22.825,75.625 22.825,92.875 v1(23.425,93.475)
  other v1: 22.875,75.675
OUT_IGN4: D13.1 M8.S5 P1.3N | length 131
  Top Layer w0.2: D13.1@26.15,92.3 26.225,92.375 26.225,92.925 27.05,93.75 28.75,93.75 29.425,94.425 30.125,94.425 31.682,95.982 M8.S5@31.682,96.475
  Top Layer w0.25: D13.1@26.15,92.3 26.175,92.275 27.368,92.275 27.5,92.143 27.5,73.459 35.35,65.609 35.35,35.75 41.3,29.8 41.3,25.95 42.769,24.481 42.769,19.781 44.675,17.875 45.519,17.875 46.619,16.775 76.525,16.775 78,18.25 78,21.036 79.7,22.736 P1.3N@79.7,23.5
OUT_IGN5: D14.1 M8.S1 R5.2 | length 97.1
  Top Layer w0.2: v1(35.975,95.325) 35.975,95.433 36.075,95.533 M8.S1@36.075,96.475
  Top Layer w0.25: D14.1@28.85,92.3 28.9,92.3 29.808,93.208 29.808,93.408 v1(29.875,93.475) ; v1(37,84.25) 37,42.48 42.755,36.725 46.001,36.725 46.25,36.974 46.25,37.951 46.725,38.426 46.725,40.175 47.3,40.75 55.811,40.75 56.261,40.3 57.476,40.3 57.988,39.789 57.988,39.786 59.149,38.625 61.4,38.625 62.225,39.45 R5.2@62.45,39.45
  Bottom Layer w0.25: v1(35.975,95.325) 35.95,95.35 31.75,95.35 v1(29.875,93.475) 29.875,89.916 35.841,83.95 36.605,83.95 36.905,84.25 v1(37,84.25)
OUT_IGN6: D15.1 M8.S2 R7.2 | length 87.9
  Top Layer w0.2: v1(31.525,93.15) 31.525,92.325 D15.1@31.55,92.3 ; M8.S2@34.75,96.475 34.75,94.7 v1(34.8,94.65)
  Top Layer w0.25: v1(36.1,84.575) 36.162,84.513 36.162,84.204 36.5,83.866 36.5,42.3 42.525,36.275 46.187,36.275 46.7,36.788 46.7,37.765 47.175,38.24 47.175,39.875 47.6,40.3 55.325,40.3 55.849,39.776 56.374,39.776 R7.2@56.7,39.45
  Bottom Layer w0.2: v1(31.525,93.15) 31.602,93.227 31.602,93.65 32.601,94.65 v1(34.8,94.65) ; v1@31.602,93.15 34.85,93.15 36.1,91.9 v1(36.1,84.575)
OUT_IGN7: D16.1 M8.S3 R1.2 | length 140.6
  Top Layer w0.2: M8.S3@33.575,96.475 33.575,92.975 33.8,92.75 33.8,92.7 34.2,92.3 D16.1@34.25,92.3
  Top Layer w0.25: D16.1@34.25,92.3 35.499,92.3 36.324,91.475 37.526,91.475 37.85,91.151 37.85,87.35 35.475,84.975 35.475,84.255 36,83.73 36,42.164 42.339,35.825 42.475,35.825 42.625,35.675 64.45,35.675 67.15,32.975 67.15,19.55 68.9,17.8 v1(76,17.8) ; R1.2@73.95,39.45 74.175,39.45 75.6,38.025 v1(75.85,38.025)
  Bottom Layer w0.25: v1(75.85,38.025) 75.85,30.3 74.5,28.95 74.5,26.587 76,25.087 v1(76,17.8)
OUT_IGN8: D17.1 M8.S4 R11.2 | length 68.7
  Top Layer w0.2: M8.S4@32.4,96.475 32.4,94.05 v1(32.625,93.825)
  Top Layer w0.25: D17.1@36.95,92.3 37.7,92.3 37.975,92.025 38.3,91.7 38.3,87.05 37.725,86.475 37.725,42.391 40.666,39.45 R11.2@45.2,39.45
  Bottom Layer w0.2: v1(32.625,93.825) 36.275,93.825 v1(38.025,92.075)
OUT_INJ1: D18.2 D29.2 M7.S18 P1.2A | length 63.9
  Top Layer w0.25: D18.2@105.6,43.8 105.95,43.45 105.975,43.45 106.525,42.9 106.525,38.725 105.7,37.9 D29.2@105.65,37.9 105.975,37.575 105.975,36.975 106.675,36.275 108.53,36.275 108.655,36.4 v1(108.75,36.4)
  Bottom Layer w0.25: P1.2A@108.4,27.9 108.75,28.25 v1(108.75,36.4)
  Bottom Layer w0.5: 106.382,26.2 107.075,26.893 107.075,26.9
  Bottom Layer w0.6: M7.S18@99.777,50.189 99.777,48.773 100.125,48.425 100.125,29.343 99.65,28.868 99.65,26.932 98.918,26.2 98.882,26.2 97.15,24.468 97.15,22.532 97.882,21.8 101.418,21.8 102.15,22.532 102.15,24.468 102.932,25.25 105.432,25.25 106.382,26.2 ; 107.075,26.9 107.453,27.278 107.984,27.278 108.4,27.694 P1.2A@108.4,27.9
OUT_INJ2: D19.2 D30.2 M7.S16 P1.2D | length 33.4
  Top Layer w0.25: v1(102.25,36.675) 102.275,36.7 102.275,37.225 102.525,37.475 102.525,37.525 D30.2@102.9,37.9 ; D19.2@102.9,43.8 102.9,42.624 102.075,41.799 102.075,38.725 D30.2@102.9,37.9 ; D30.2@102.95,37.9 D30.2@102.9,37.9
  Top Layer w0.6: v1(102.325,31.25) v1@102.325,31.475 ; v1(102.325,32.4) v1(102.325,31.825) v1@102.325,31.475 ; P1.2D@105.9,27.9 105.9,28.106 105.484,28.522 105.278,28.522 v1@102.325,31.475
  Bottom Layer w0.6: v1@102.302,31.25 M7.S16@102.302,50.189